# Altium PCB 20211127_mach duoi NCKH.PcbDoc (continued)
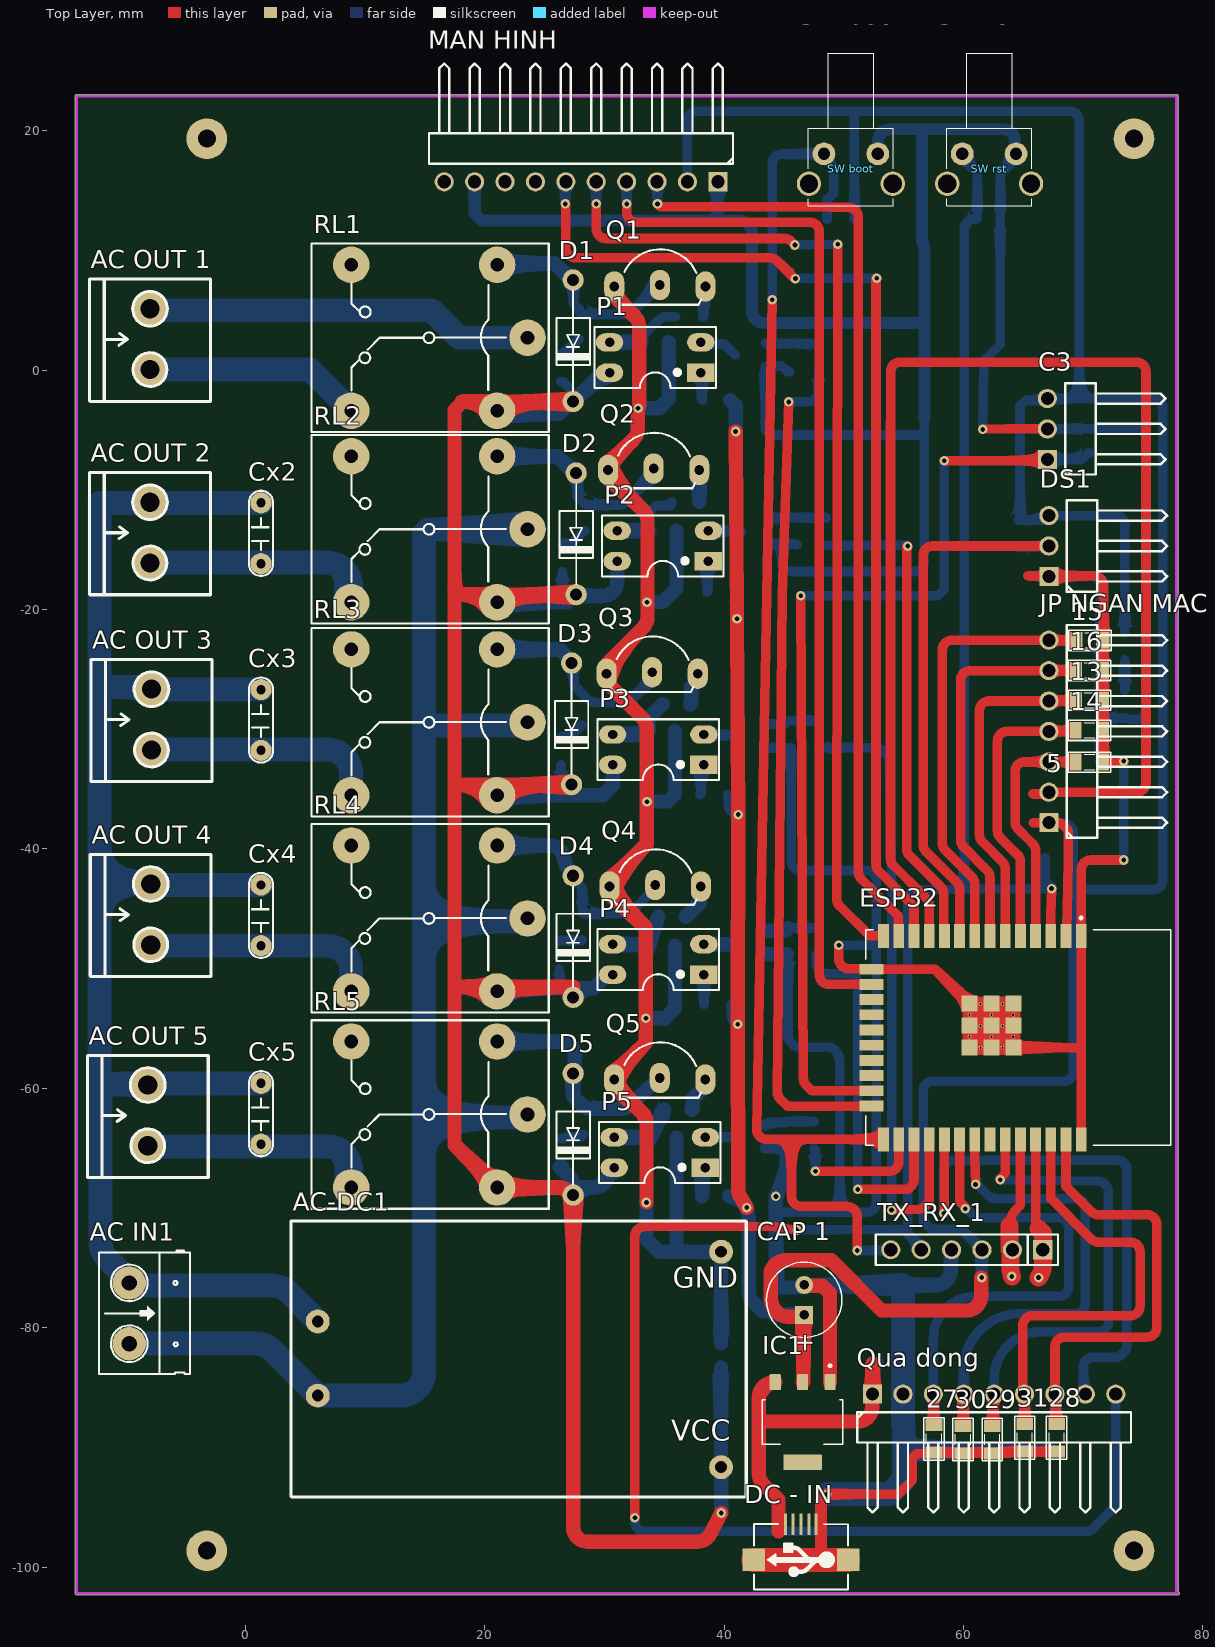
[diagram p0: Top Layer view]
## Nets (pads, with @x,y where several pads share a name; then routed paths per layer and width w, separated by ;. In a path a pad name is that pad's centre, name@x,y a point inside that pad or via, vN(x,y) a via of type N, cw(c..) or ccw(c..) an arc to the next point about the centre after c; other vN are vias at no path point)
3V3: 1.2 2.2 3.2 4.2 6.2 7.2 "CAP 1.1" "JP NGAN MACH.1" "MAN HINH.2" C3.3 cc2.2 DS1.3 ESP32.2 IC1.2 R5.2 R7.2 R13.2 TX_RX_1.3 | length 348.8
  Top Layer w0.8: 65.846,-37.802 67.128,-37.802 ; 67.129,-37.801 68.085,-37.801 68.754,-38.47 68.754,-40.721 68.691,-43.338 68.691,-43.341 68.612,-46.639 cw(c67.812,-46.619) 68.61,-46.686 ESP32.2
  Top Layer w1.2: v1(40.952,-5.12) v1(41.073,-20.77) v1(41.183,-37.132) v1(41.134,-54.65) 41.162,-68.417 41.162,-68.42 ; 41.162,-68.421 ccw(c42.362,-68.42) 41.331,-69.034 v1(41.885,-69.966) ; IC1.2 46.564,-84.545 46.619,-84.49 46.619,-78.993 46.682,-78.929 46.532,-79.076 45.274,-79.076 cw(c45.274,-77.876) 44.425,-78.724 cw(c45.723,-77.427) 43.888,-77.424 43.888,-75.577 cw(c45.088,-75.577) 45.088,-74.377 48.955,-74.377 53.146,-78.568 53.656,-78.568 60.267,-78.568 ccw(c60.265,-77.368) 61.465,-77.368 v1@61.465,-75.811
  Bottom Layer w0.8: 36.929,15.742 36.929,20.843 cw(c37.729,20.841) 37.727,21.641 50.888,21.641 ; 3.2 40.35,-35.57 40.35,-36.281 ccw(c41.15,-36.281) 40.905,-37.043 v1(41.183,-37.132) ; 6.2 40.606,-53.898 ccw(c41.406,-53.898) v1(41.134,-54.65) ; 2.2 40.93,-18.859 v1(41.073,-20.77) ; R7.2 50.873,21.626 50.888,21.641 ; TX_RX_1.3@61.515,-73.514 TX_RX_1.3 59.828,-71.775 57.295,-71.775 56.649,-71.129 56.649,-67.434 cw(c57.448,-67.402) 56.648,-67.402 56.648,-60.201 cw(c57.448,-60.201) 57.448,-59.401 68.382,-59.401 ccw(c68.38,-58.601) 69.18,-58.601 69.18,-44.195 69.15,-44.165 69.15,-43.389 70.241,-43.389 75.854,-43.389 ccw(c75.854,-42.589) 76.654,-42.589 76.654,-3.168 ccw(c75.854,-3.168) 75.856,-2.368 69.669,-2.368 ; R13.2 R13.2@64.616,-12.528 ; 67.129,-37.801 67.231,-37.903 68.692,-37.903 69.161,-38.372 69.161,-40.758 69.161,-43.389 ; 4.2 73.479,-12.947 ccw(c72.679,-12.947) 72.679,-12.147 66.913,-12.147 66.532,-12.528 R13.2@64.616,-12.528 ; 50.888,21.641 68.869,21.641 cw(c68.869,20.841) 69.669,20.841 69.669,-2.368 ; R13.2@64.616,-12.528 64.716,-12.428 64.716,-3.003 65.198,-2.521 66.849,-2.521 C3.3 69.669,-2.368
  Bottom Layer w1: v1(61.515,-75.811) TX_RX_1.3@61.515,-73.514
  Bottom Layer w1.2: 7.2 40.533,-69.112 40.736,-69.112 cw(c40.736,-70.313) v1(41.885,-69.966) 42.034,-70.745 cw(c40.855,-70.97) 42.055,-70.97 42.055,-76.988 ccw(c43.255,-76.988) 42.405,-77.835 42.406,-77.836 43.213,-78.643 44.264,-78.643 cc2.2 ; 1.2 40.494,-2.512 40.593,-2.611 40.593,-2.612 40.952,-2.971 v1(40.952,-5.12) ; cc2.2@43.937,-78.695 44.171,-78.929 46.682,-78.929
5V: "DC - IN.1" "Qua dong.1" cc1.2 IC1.3 | length 30.5
  Top Layer w1.2: IC1.3 cw(c43.881,-83.408) 44.028,-84.599 43.948,-84.609 ccw(c44.095,-85.8) 42.895,-85.8 42.895,-87.746 ; 44.54,-97.025 44.54,-96.425 44.54,-94.35 43.246,-93.056 43.245,-93.055 cw(c44.095,-92.208) 42.895,-92.208 42.895,-87.746 ; 52.397,-83.013 52.397,-85.553 52.357,-85.753 52.357,-85.835 cw(c51.158,-85.783) 52.357,-85.843 ccw(c57.436,-86.109) 52.368,-86.539 cw(c51.172,-86.639) 51.175,-87.839 42.988,-87.839 42.895,-87.746
  Bottom Layer w1.2: 52.397,-85.553 52.397,-83.412 52.773,-83.036 cc1.2
AC1: "AC IN1.2" AC-DC1.2 RL2.1 RL3.1 RL4.1 RL5.1 | length 132.7
  Bottom Layer w2: -9.771,-81.308 -9.768,-81.309 cw(c-9.706,-82.808) -9.71,-81.308 0.841,-81.308 cw(c0.841,-83.308) 2.256,-81.894 AC-DC1.2 12.932,-85.68 ccw(c12.932,-83.68) 14.932,-83.68 14.932,-62.439 ; RL5.1 23.314,-62.439 14.932,-62.439 ; RL4.1 23.314,-46.056 14.932,-46.056 ; RL3.1 23.314,-29.673 15.186,-29.673 14.932,-29.927 ; RL2.1 15.313,-13.29 14.932,-13.671 14.932,-29.927 ; 14.932,-62.439 14.932,-46.056 ; 14.932,-46.056 14.932,-29.927
AC2: "AC IN1.1" "AC OUT 2.1" "AC OUT 3.1" "AC OUT 4.1" "AC OUT 5.1" AC-DC1.1 Cx2.2 Cx3.2 Cx4.2 Cx5.2 | length 137.3
  Bottom Layer w2: -9.71,-76.26 ccw(c-8.783,-74.488) -8.786,-76.488 2.221,-76.488 cw(c2.221,-78.488) 3.636,-77.074 AC-DC1.1 ; -9.71,-76.26 -9.71,-76.045 -11.533,-74.222 -11.535,-74.22 cw(c-10.119,-72.808) -12.119,-72.808 -12.119,-59.65 ; Cx5.2 -8.019,-59.582 -8.157,-59.72 -8.227,-59.65 -12.119,-59.65 ; Cx4.2 -7.837,-43.011 -7.916,-42.932 -8.024,-42.824 -12.182,-42.824 ; Cx3.2 -7.814,-26.691 -7.855,-26.649 -8.047,-26.458 -12.153,-26.458 -12.182,-26.429 ; Cx2.2 -7.92,-11.086 -7.976,-11.03 -8.059,-11.113 -12.182,-11.113 -12.182,-26.429 ; -12.182,-42.824 -12.182,-59.65 -12.119,-59.65 ; -12.182,-42.824 -12.182,-26.429
"CLK - 14": "MAN HINH.3" ESP32.13 | length 80.6
  Top Layer w0.8: v1(34.426,13.891) 34.65,13.667 46.902,13.667 cw(c46.899,11.567) 46.992,13.665 ccw(c47.083,15.579) 47.119,13.663 cw(c47.156,11.563) 47.202,13.663 50.418,13.593 cw(c50.418,12.793) 51.218,12.793 51.218,-41.937 ccw(c52.018,-41.937) 51.451,-42.501 51.452,-42.502 54.542,-45.592 54.542,-47.212 ESP32.13
  Bottom Layer w0.8: 34.389,15.742 34.426,15.705 v1(34.426,13.891)
D1: "LED Relay1.2" D1.1 Q1.2 RL1.4 | length 17.4
  Bottom Layer w0.8: D1.1 27.417,7.498 27.417,5.593 27.886,5.125 ; 27.886,4.871 28.185,4.654 31.707,4.654 ccw(c31.707,5.454) 32.272,4.888 Q1.2@34.617,7.233
  Bottom Layer w1.2: RL1.4 21.155,8.935 25.825,8.935 27.222,7.538 D1.1
D2: "LED Relay2.2" D2.1 Q2.2 RL2.4 | length 17.4
  Bottom Layer w0.8: D2.1 27.759,-8.718 27.759,-10.623 28.394,-11.258 31.493,-11.258 34.109,-8.642 Q2.2
  Bottom Layer w1.2: RL2.4 26.079,-7.194 27.476,-8.591 D2.1
D3: "LED Relay5.2" D3.1 Q3.2 RL3.4 | length 17.1
  Bottom Layer w0.8: D3.1 27.438,-24.653 27.438,-26.304 28.426,-27.292 28.668,-27.534 ; 28.668,-27.534 ccw(c29.233,-26.968) 29.233,-27.768 31.671,-27.768 ccw(c31.671,-26.968) 32.237,-27.534 33.982,-25.789 Q3.2
  Bottom Layer w1.2: RL3.4 26.235,-23.323 27.251,-24.339 D3.1
D4: "LED Relay4.2" D4.1 Q4.2 RL4.4 | length 22.5
  Bottom Layer w0.6: 28.171,-45.263 28.214,-45.305 32.193,-45.305
  Bottom Layer w0.8: D4.1 27.378,-42.511 28.14,-43.273 28.14,-45.294 28.251,-45.405 32.093,-45.405 32.193,-45.305 34.236,-43.262 Q4.2
  Bottom Layer w1.2: RL4.4 25.394,-39.706 cw(c25.394,-40.906) 26.558,-40.615 26.642,-40.952 26.697,-41.168 ccw(c27.86,-40.875) 27.012,-41.724 27.101,-41.813 cw(c26.252,-42.661) D4.1
D5: "LED Relay3.2" D5.1 Q5.2 RL5.4 | length 19.3
  Bottom Layer w1.2: RL5.4 26.305,-56.089 cw(c26.305,-57.289) 27.505,-57.289 27.505,-58.219 cw(c26.305,-58.219) D5.1 27.378,-60.661 27.918,-61.201 28.267,-61.55 28.366,-61.585 28.372,-61.6 ccw(c28.837,-60.494) 28.834,-61.694 30.404,-61.694 ccw(c30.807,-59.696) 31.129,-61.709 cw(c31.316,-62.894) 31.313,-61.694 31.436,-61.694 ccw(c31.436,-60.494) 32.285,-61.343 33.472,-60.156 cw(c34.318,-61.006) 33.592,-60.051 33.992,-59.748 ccw(c33.266,-58.792) 34.094,-59.66 34.397,-59.66 34.617,-59.44 Q5.2
"DC - 27": "MAN HINH.6" ESP32.12 | length 89
  Top Layer w0.8: v1@26.769,13.891 cw(c25.969,13.883) 26.769,13.886 26.769,10.192 ccw(c27.569,10.192) 27.569,9.392 43.822,9.392 cw(c43.822,8.592) 44.387,9.158 45.888,7.657 v1(45.951,7.657) ; v1(52.753,7.678) 52.702,7.678 52.681,7.657 52.681,-41.286 ccw(c53.481,-41.286) 52.914,-41.85 ; 52.915,-41.851 52.914,-41.85 ; 55.86,-44.796 52.914,-41.85 ; ESP32.12 55.862,-44.798
  Bottom Layer w0.8: v1(26.724,13.891) 26.724,15.697 26.769,15.742 ; v1(45.951,7.657) 45.962,7.668 52.743,7.668 v1(52.753,7.678)
EN: "Qua dong.9" "SW rst.2" C1.2 ESP32.3 R5.1 TX_RX_1.5 | length 209.6
  Top Layer w0.8: v1(32.536,-95.879) 32.536,-72.359 cw(c33.336,-72.361) 33.334,-71.561 43.834,-71.527 43.835,-71.527 cw(c43.836,-72.327) 43.95,-71.535 v1(46.068,-71.839) ; ESP32.3 67.274,-47.245 67.274,-45.543 cw(c68.074,-45.543) 67.275,-45.514 v1(67.357,-43.308)
  Bottom Layer w0.8: v1(32.536,-95.879) 32.536,-96.218 ccw(c33.336,-96.218) 33.336,-97.018 70.247,-97.018 ccw(c70.247,-96.218) 70.812,-96.784 72.484,-95.112 ccw(c71.917,-94.548) 72.717,-94.548 72.717,-85.553 ; v1(46.068,-71.839) 53.91,-71.788 cw(c53.921,-73.488) 53.975,-71.789 54.512,-71.806 ccw(c54.537,-71.007) 54.539,-71.807 55.145,-71.806 55.337,-71.614 ; TX_RX_1.5 56.461,-73.272 55.337,-72.148 55.337,-71.614 ; 59.89,18.079 59.89,17.78 61.16,16.51 61.16,12.713 C1.2 60.861,12.618 ccw(c60.861,11.818) 60.061,11.818 60.061,-43.362 ; R5.1 66.832,-40.762 66.832,-42.657 67.357,-43.181 v1(67.357,-43.308) 65.122,-43.323 60.061,-43.362 ; 55.337,-71.614 55.337,-68.409 55.329,-67.508 cw(c57.229,-67.492) 55.329,-67.492 55.329,-60.199 55.343,-44.19 cw(c56.143,-44.192) 56.137,-43.392 58.97,-43.371 58.973,-43.371 60.061,-43.362
GND: 5.2 13.2 14.2 15.2 16.2 18.2 20.2 22.2 24.2 26.2 27.2 28.2 29.2 30.2 31.2 "CAP 1.2" "DC - IN.5" "LED nguon.2" "MAN HINH.1" "MAN HINH.9" "Qua dong.2" "SW boot.1" "SW rst.1" C1.1 C3.2 cc1.1 cc2.1 cc3.1 cc4.1 cc5.1 cc6.1 cc7.1 cc8.1 cc9.1 cc10.1 cc11.1 cc12.1 cc13.1 DS1.1 ESP32.1 ESP32.15 ESP32.38 ESP32.39_1 ESP32.39_2 ESP32.39_3 ESP32.39_4 ESP32.39_5 ESP32.39_6 ESP32.39_7 ESP32.39_8 ESP32.39_9 ESP32.39_10 ESP32.39_11 ESP32.39_12 ESP32.39_13 ESP32.39_14 ESP32.39_15 ESP32.39_16 ESP32.39_17 ESP32.39_18 ESP32.39_19 ESP32.39_20 ESP32.39_21 IC1.1 Q6.2 Q7.2 Q8.2 Q9.2 Q10.2 TX_RX_1.4 | length 532.9
  Top Layer w0.8: 48.094,-99.182 48.305,-99.393 ; v1(48.565,-93.912) 54.544,-93.912 55.699,-92.757 55.699,-90.903 56.068,-90.534 57.429,-90.534 27.2 57.576,-90.387 67.743,-90.387 28.2 ; v1(49.581,-48.05) 49.581,-49.197 ccw(c50.381,-49.197) 50.381,-49.997 51.722,-49.997 ESP32.15 57.617,-50.047 ESP32.39_7 ; v1(61.601,-4.946) 63.586,-4.908 cw(c63.601,-5.708) 63.601,-4.908 C3.2 ; ESP32.39_3 69.705,-56.597 69.832,-56.724 ; 65.354,-17.187 70.904,-17.187 cw(c70.904,-17.987) 71.704,-17.987 15.2 71.682,-22.577 5.2@71.682,-32.721 ; ESP32.38 69.832,-56.724 ; 5.2 5.2@71.682,-32.721 ; v1(73.392,-40.924) 70.632,-40.924 ccw(c70.632,-41.724) 69.832,-41.724 ESP32.1 69.832,-56.724 ; v1(73.392,-32.659) 73.35,-32.701 71.702,-32.701 5.2@71.682,-32.721
  Top Layer w1: 48.094,-99.182 48.094,-94.383 v1(48.565,-93.912)
  Top Layer w1.2: 46.682,-76.429 46.739,-76.487 48.2,-76.487 48.845,-77.132 IC1.1 ; ESP32.39_19 ESP32.39_6 ESP32.39_16 ; ESP32.39_17 ESP32.39_7 ESP32.39_20 ESP32.39_15 ; ESP32.39_4 ESP32.39_12 ESP32.39_1 ESP32.39_10 ESP32.39_15 ; ESP32.39_14 ESP32.39_3 ESP32.39_11 ESP32.39_16 ; ESP32.39_13 ESP32.39_5 ; ESP32.39_16 ESP32.39_21 ESP32.39_8 ESP32.39_18 ESP32.39_5 ; ESP32.39_5 ESP32.39_15
  Top Layer w2: 42.467,-99.393 48.305,-99.393 50.367,-99.393
  Bottom Layer w0.8: Q10.2 43.364,-65.04 45.223,-65.04 26.2 ; Q8.2 43.508,-31.472 43.594,-31.558 22.2 45.6,-41.003 ccw(c46.4,-41.003) 46.4,-41.803 51.89,-41.803 cw(c51.89,-42.603) 52.69,-42.601 52.69,-47.981 ; Q7.2 44.836,-14.446 ; 44.314,-70.144 ccw(c44.871,-69.57) 44.869,-70.37 49.663,-70.37 ; 24.2 45.332,-55.595 ccw(c46.132,-55.595) 45.566,-56.16 45.746,-56.34 ccw(c46.311,-55.774) 46.311,-56.574 48.71,-56.574 cw(c48.708,-57.374) 49.399,-56.971 cw(c47.714,-57.95) 49.663,-57.953 49.663,-70.37 ; 18.2 45.278,-0.124 44.808,0.346 Q6.2 43.415,-4.946 43.884,-5.415 56.718,-5.415 56.719,-5.416 ; 20.2 45.885,-14.582 45.749,-14.446 44.836,-14.446 ; v1(49.581,-48.05) 52.621,-48.05 52.69,-47.981 ; 56.719,-4.097 56.719,-5.416 ; cc8.1@57.477,-90.252 cc10.1 cc11.1@64.956,-90.252 ; v1(61.601,-4.946) 61.7,0.482 cw(c62.5,0.469) 61.934,1.034 63.065,2.165 C1.1 63.065,16.455 64.39,17.78 ; cc11.1 cc11.1@64.956,-90.252 ; cc11.1@65.187,-90.291 64.917,-90.291 cc11.1@64.956,-90.252 ; C3.2 74.454,-4.908 cw(c74.454,-5.708) 75.254,-5.708 75.251,-28.365 cw(c74.451,-28.365) 74.457,-29.165 74.454,-29.165 73.778,-29.165 73.479,-29.038 71.574,-29.038 ; DS1.1 70.631,-17.227 cw(c70.631,-18.027) 71.431,-18.027 71.431,-22.561 71.447,-22.577 71.447,-29.165 71.574,-29.038 ; cc12.1@67.494,-90.252 cc11.1@64.956,-90.252 ; cc3.1 71.413,-32.694 cc3.1@71.431,-32.694 ; v1(73.392,-40.924) v1(73.392,-32.659) 73.357,-32.694 cc3.1@71.431,-32.694 ; 44.836,-14.446 44.836,-16.352 45.071,-16.587 45.072,-16.588 ccw(c45.636,-16.021) 45.636,-16.821 55.919,-16.821 ccw(c55.919,-16.021) 56.719,-16.021 56.719,-5.416 ; 49.663,-70.37 51.89,-70.37 ccw(c51.89,-69.57) 52.69,-69.57 52.69,-55.547 52.69,-55.545 52.69,-47.981 ; cc3.1@71.431,-32.694 71.431,-30.242 cc7.1 71.574,-30.099 71.574,-29.038
  Bottom Layer w1: 19.149,15.742 19.149,13.077 19.735,12.491 38.651,12.491 ; 39.469,15.742 39.451,15.342 39.451,13.291 cw(c38.651,13.291) 38.651,12.491 ; 52.833,18.079 52.833,19.131 cw(c53.833,19.131) 53.833,20.131 56.665,20.131 ; 55.737,-90.252 64.956,-90.252 cc12.1@67.494,-90.252 ; 56.719,-4.097 56.719,3.93 ; 64.39,18.079 cw(c65.305,18.482) 64.305,18.48 64.305,19.131 ccw(c63.305,19.131) 63.305,20.131 56.665,20.131 ; 38.651,12.491 41.321,12.491 cw(c41.321,11.491) 42.321,11.493 42.321,4.953 ccw(c43.321,4.953) 43.321,3.953 56.696,3.953 56.719,3.93 ; 56.665,20.131 56.513,19.979 56.513,10.768 cw(c55.719,10.16) 56.719,10.16 56.719,10.158 56.719,3.93
  Bottom Layer w1.2: Q9.2 43.54,-48.806 24.2@45.234,-48.806 ; cc2.1 cc2.1@44.314,-76.645 ; v1@44.322,-69.032 cw(c43.124,-68.963) 44.314,-69.118 44.314,-70.144 cc2.1@44.314,-76.645 ; v1@44.382,-69.031 45.179,-66.616 ccw(c44.04,-66.24) 45.24,-66.24 26.2 ; TX_RX_1.4 58.925,-73.565 58.925,-75.229 cw(c57.725,-75.229) 57.727,-76.429 54.839,-76.429 46.682,-76.429 46.601,-76.429 46.385,-76.645 cc2.1@44.314,-76.645
  Bottom Layer w2: v1(48.565,-93.912) 53.83,-93.912 55.002,-92.74 55.002,-89.517 ; 54.839,-76.429 54.937,-76.527 54.937,-85.553 54.937,-88.037 55.002,-88.102 55.002,-89.517 ; 55.737,-90.252 55.002,-89.517
  other v1: 44.322,-69.031
IO0: "SW boot.2" ESP32.25 R7.1 TX_RX_1.6 | length 119.5
  Top Layer w0.8: v1(44.021,5.888) 43.559,-18.787 42.723,-63.447 ccw(c43.523,-63.462) 43.523,-64.262 45.622,-64.262 ; v1(51.109,-73.549) 51.109,-70.685 ccw(c50.309,-70.687) 50.59,-69.938 ccw(c50.08,-71.301) 50.08,-69.846 46.424,-69.846 cw(c46.422,-69.046) 45.622,-69.046 45.622,-64.262 ; ESP32.25 45.622,-64.262
  Bottom Layer w0.8: v1(44.021,5.888) 44.007,17.246 cw(c44.807,17.247) 44.801,18.047 44.804,18.047 48.11,18.047 ccw(c48.11,18.847) 48.333,18.079 48.333,17.825 49.145,17.013 49.145,14.789 48.587,14.232 R7.1 ; v1(51.109,-73.549) 53.86,-73.549 TX_RX_1.6
IO2: 17.2 ESP32.24 | length 70.8
  Top Layer w0.8: 44.676,-60.887 cw(c45.243,-60.322) 44.443,-60.314 44.859,-18.826 cw(c46.394,-18.843) 44.859,-18.792 v1(45.397,-2.646) ; 44.676,-60.887 45.279,-61.49 51.722,-61.49 ESP32.24
  Bottom Layer w0.8: v1(45.397,-2.646) 47.296,-2.646 47.885,-2.057 17.2
IO4: 25.2 ESP32.26 | length 11.2
  Top Layer w0.8: v1(47.618,-66.934) 53.753,-66.938 ccw(c53.756,-66.138) 53.766,-66.938 53.767,-66.938 cw(c53.779,-67.738) 53.785,-66.938 ccw(c53.792,-66.138) 54.592,-66.138 ESP32.26
  Bottom Layer w0.8: 25.2 47.618,-65.173 v1(47.618,-66.934)
IO15: C3.1 cc13.2 ESP32.23 | length 82.1
  Top Layer w0.8: v1(46.394,-18.843) 46.619,-59.177 ccw(c47.419,-59.172) 46.619,-59.178 46.619,-59.181 ccw(c47.419,-59.172) 46.852,-59.736 47.323,-60.207 ESP32.23 ; v1(58.394,-7.557) 66.893,-7.557 C3.1
  Bottom Layer w0.8: v1@46.449,-18.787 v1(46.394,-18.843) 57.85,-18.843 58.394,-18.299 v1(58.394,-7.557) ; C3.1 69.88,-7.448 70.408,-6.92 cc13.2
IO16: 23.2 ESP32.27 | length 30.9
  Top Layer w0.8: v1(51.164,-68.451) 55.356,-68.451 55.613,-68.194 ccw(c55.062,-67.615) 55.862,-67.615 ESP32.27
  Bottom Layer w0.8: 23.2 47.709,-49.617 ccw(c48.509,-49.617) 48.509,-50.417 50.354,-50.417 cw(c50.354,-51.217) 51.154,-51.217 51.154,-66.451 ccw(c51.954,-66.451) 51.154,-66.455 v1(51.164,-68.451)
IO17: 21.2 ESP32.28 | length 52.6
  Top Layer w0.8: v1(53.99,-70.173) 56.218,-70.111 ; 56.22,-70.111 56.222,-70.111 56.223,-70.111 ccw(c56.205,-69.311) 56.767,-69.88 56.769,-69.879 57.132,-69.516 ESP32.28
  Bottom Layer w0.8: 21.2 52.656,-31.541 cw(c52.656,-32.341) 53.221,-31.775 53.562,-32.116 cw(c52.995,-32.68) 53.795,-32.68 ccw(c54.595,-32.68) 53.795,-32.695 53.795,-32.698 53.99,-42.56 ; 53.99,-42.562 cw(c51.89,-42.603) 53.99,-42.604 53.99,-68.173 v1(53.99,-70.173)
IO18: 27.1 "Qua dong.3" cc8.2 ESP32.30 | length 44.1
  Top Layer w0.8: 57.477,-85.553 57.503,-85.579 57.503,-88.122 27.1 ; ESP32.30 59.672,-69.46 60.144,-69.932 v1(60.144,-70.059)
  Bottom Layer w0.8: cc8.2 57.477,-85.553 57.477,-80.874 57.477,-80.872 cw(c60.964,-80.87) 60.962,-77.384 cw(c60.964,-80.87) 60.968,-77.384 67.979,-77.384 ccw(c67.978,-76.584) 68.778,-76.584 68.775,-71.621 ccw(c67.975,-71.621) 67.979,-70.821 67.977,-70.821 61.364,-70.821 cw(c61.364,-70.021) 60.799,-70.587 ; v1(60.144,-70.059) 60.271,-70.059 60.799,-70.587
IO19: 30.1 "Qua dong.4" cc9.2 ESP32.31 | length 42.2
  Top Layer w0.8: 30.1 59.985,-88.179 59.985,-85.585 60.017,-85.553 ; ESP32.31 60.942,-65.792 ccw(c61.742,-65.792) 60.942,-65.816 v1(61.007,-68.027)
  Bottom Layer w0.8: cc9.2 60.017,-85.553 ; 60.017,-85.044 60.017,-83.517 cw(c64.726,-83.531) 64.719,-78.822 69.379,-78.822 ccw(c69.377,-78.022) 70.177,-78.022 70.178,-76.499 ccw(c68.778,-76.498) 70.178,-76.498 70.177,-70.013 ccw(c69.377,-70.013) 69.377,-69.213 62.651,-69.213 cw(c62.651,-68.413) 62.085,-68.979 61.134,-68.027 v1(61.007,-68.027)
IO21: 29.1 "Qua dong.5" cc10.2 ESP32.33 | length 43.2
  Top Layer w0.8: 29.1 62.483,-88.136 62.483,-85.628 62.557,-85.553 ; v1(63.065,-67.646) 63.065,-67.519 63.482,-67.103 ESP32.33
  Bottom Layer w0.8: cc10.2 62.43,-88.125 62.43,-85.68 62.557,-85.553 ; 62.557,-85.736 62.557,-85.553 ; v1(63.065,-67.646) 71.229,-67.75 cw(c71.219,-68.549) 71.785,-67.984 71.848,-68.047 cw(c71.282,-68.613) 72.082,-68.613 72.082,-79.546 cw(c71.282,-79.546) 71.282,-80.346 66.497,-80.346 66.495,-80.346 ccw(c66.493,-84.282) 62.722,-83.153 ccw(c66.493,-84.282) 62.557,-84.288 62.557,-85.553
IO22: 31.1 "Qua dong.6" cc11.2 ESP32.36 | length 40
  Top Layer w0.8: 64.949,-85.092 64.949,-79.796 cw(c65.749,-79.796) 65.749,-78.996 73.946,-78.996 ccw(c73.946,-78.196) 74.746,-78.196 74.746,-73.653 ccw(c73.946,-73.653) 74.512,-73.088 ccw(c73.946,-73.653) 73.946,-72.853 71.27,-72.853 cw(c71.27,-72.053) 70.705,-72.619 ; 65.097,-85.553 65.111,-85.567 65.111,-88.039 31.1 ; ESP32.36 67.292,-69.206 70.705,-72.619
  Bottom Layer w0.8: cc11.2 65.079,-88.129 65.079,-85.572 65.097,-85.553
IO23: 28.1 "Qua dong.7" cc12.2 ESP32.37 | length 40.1
  Top Layer w0.8: 28.1 67.714,-87.977 67.714,-85.63 67.637,-85.553 67.637,-81.582 cw(c68.437,-81.582) 68.437,-80.782 75.346,-80.782 ccw(c75.346,-79.982) 76.146,-79.982 76.146,-71.367 ccw(c75.346,-71.367) 75.348,-70.567 71.27,-70.567 cw(c71.27,-69.767) 70.705,-70.333 ; ESP32.37 68.562,-68.19 70.705,-70.333
  Bottom Layer w0.8: 67.637,-85.553 67.678,-85.594 67.678,-88.058 cc12.2
IO25: 19.2 ESP32.10 | length 40.6
  Top Layer w0.8: v1@55.242,-14.692 55.242,-39.975 ccw(c56.042,-39.973) 55.475,-40.537 58.079,-43.141 cw(c57.428,-43.796) 58.352,-43.797 58.352,-43.799 58.352,-47.212 ESP32.10
  Bottom Layer w0.8: 19.2 55.283,-14.638 v1(55.337,-14.692)
IO32: 15.1 "JP NGAN MACH.7" cc5.2 ESP32.8 | length 38.9
  Top Layer w0.8: ESP32.8 60.942,-42.909 ccw(c60.142,-42.909) 60.708,-42.344 58.463,-40.099 cw(c59.031,-39.536) 58.231,-39.538 58.231,-23.361 cw(c59.031,-23.361) 59.031,-22.561 67.129,-22.561 67.132,-22.558 69.415,-22.558 15.1
  Bottom Layer w0.8: 67.129,-22.561 67.153,-22.586 69.39,-22.586 cc5.2
IO33: DS1.2 ESP32.9 R13.1 | length 46.5
  Top Layer w0.8: ESP32.9 59.672,-43.362 ccw(c58.872,-43.362) 59.438,-42.797 59.105,-42.464 56.854,-40.213 cw(c57.42,-39.648) 56.62,-39.648 56.62,-15.487 cw(c57.42,-15.487) 57.42,-14.687 DS1.2
  Bottom Layer w0.8: R13.1 64.653,-14.751 67.066,-14.751 DS1.2
IO34: 13.1 "JP NGAN MACH.5" cc4.2 ESP32.6 | length 30.5
  Top Layer w0.8: ESP32.6 63.482,-41.645 ccw(c62.682,-41.645) 63.248,-41.08 61.559,-39.391 cw(c62.127,-38.828) 61.327,-38.83 61.327,-28.441 cw(c62.127,-28.441) 62.127,-27.641 67.129,-27.641 67.166,-27.605 69.345,-27.605 13.1
  Bottom Layer w0.8: 67.129,-27.641 cc4.2
IO35: 16.1 "JP NGAN MACH.6" cc6.2 ESP32.7 | length 34.8
  Top Layer w0.8: ESP32.7 62.212,-42.372 ccw(c61.412,-42.372) 61.978,-41.807 61.715,-41.544 59.982,-39.811 cw(c60.548,-39.246) 59.748,-39.246 59.748,-25.901 cw(c60.548,-25.901) 60.548,-25.101 67.129,-25.101 67.149,-25.082 69.362,-25.082 16.1
  Bottom Layer w0.8: 67.129,-25.101 67.193,-25.038 69.367,-25.038 cc6.2
IO36: 14.1 "JP NGAN MACH.4" cc7.2 ESP32.5 | length 26.4
  Top Layer w0.8: ESP32.5 64.752,-41.058 ccw(c63.952,-41.058) 64.518,-40.493 63.061,-39.036 cw(c63.629,-38.473) 62.829,-38.475 62.829,-30.981 cw(c63.629,-30.981) 63.629,-30.181 67.129,-30.181 67.182,-30.128 69.321,-30.128 14.1
  Bottom Layer w0.8: 67.129,-30.181 67.138,-30.173 69.5,-30.173 cc7.2
IO39: 5.1 "JP NGAN MACH.3" cc3.2 ESP32.4 | length 22.2
  Top Layer w0.8: ESP32.4 66.022,-40.139 ccw(c65.222,-40.139) 65.788,-39.574 65.612,-39.398 64.537,-38.323 cw(c65.103,-37.758) 64.303,-37.758 64.303,-33.521 cw(c65.103,-33.521) 65.103,-32.721 67.129,-32.721 67.14,-32.732 69.363,-32.732 5.1
  Bottom Layer w0.8: 67.129,-32.721 67.133,-32.726 69.374,-32.726 cc3.2
"MOSI - 13": "MAN HINH.4" ESP32.16 | length 86.5
  Top Layer w0.8: v1@31.849,13.891 31.849,13.167 ccw(c32.649,13.167) 32.649,12.367 46.899,12.367 cw(c46.899,11.567) 46.932,12.366 ccw(c47.083,15.579) 47.14,12.363 cw(c47.156,11.563) 47.956,11.563 47.956,-50.517 ccw(c48.756,-50.517) 48.756,-51.317 ESP32.16
  Bottom Layer w0.8: 31.849,15.742 31.854,15.737 v1(31.854,13.891)
Net1_1: 1.1 P1.1 | length 2.4
  Bottom Layer w0.8: P1.1 38.127,-0.29 38.127,-2.432 1.1
Net2_1: 2.1 P2.1 | length 2.7
  Bottom Layer w0.8: 2.1 38.613,-18.492 38.613,-16.026 P2.1
Net3_1: 3.1 P3.1 | length 2.6
  Bottom Layer w0.8: 3.1 38.064,-35.37 38.064,-33.211 P3.1
Net4_1: 4.1 "LED nguon.1" | length 2.5
  Bottom Layer w0.8: 73.479,-26.752 4.1
Net6_1: 6.1 P4.1 | length 2.7
  Bottom Layer w0.8: P4.1 38.31,-50.511 38.31,-52.967 6.1
  Bottom Layer w1.2: P4.1@38.138,-50.663 P4.1
Net7_1: 7.1 P5.1 | length 2.5
  Bottom Layer w1.2: 7.1 ccw(c36.967,-68.807) 38.167,-68.809 38.167,-66.792 P5.1
Net8_1: 8.1 "LED Relay1.1" | length 2.1
  Bottom Layer w0.8: 8.1 26.561,1.315 26.661,1.415 26.661,1.423 27.823,2.585 27.886,2.585
Net9_1: 9.1 "LED Relay2.1" | length 2.4
  Bottom Layer w0.8: 9.1 26.589,-14.46 27.288,-14.46 28.331,-13.417 28.394,-13.417
Net10_1: 10.1 "LED Relay3.1" | length 2.1
  Bottom Layer w0.8: 10.1 26.561,-64.217 26.707,-64.071 28.032,-64.071 28.267,-63.836
Net11_1: 11.1 "LED Relay4.1" | length 2
  Bottom Layer w0.8: 11.1 26.299,-47.644 28.077,-47.644 28.14,-47.58
Net12_1: 12.1 "LED Relay5.1" | length 2.2
  Bottom Layer w0.8: 12.1 26.462,-30.589 27.161,-30.589 28.077,-29.673 28.14,-29.673
Net17_1: 17.1 18.1 Q6.1 | length 4.5
  Bottom Layer w0.8: Q6.1 47.526,2.246 47.687,2.085 17.1
Net19_1: 19.1 20.1 Q7.1 | length 4.7
  Bottom Layer w0.8: Q7.1 43.949,-12.546 44.199,-12.296 20.1 46.111,-12.324 48.512,-12.324 19.1
Net21_1: 21.1 22.1 Q8.1 | length 4.6
  Bottom Layer w0.8: Q8.1 45.101,-29.572 45.402,-29.272 22.1 45.608,-29.263 47.907,-29.263 21.1
Net23_1: 23.1 24.1 Q9.1 | length 4.3
  Bottom Layer w0.8: 24.1 45.355,-46.597 47.686,-46.597 23.1
  Bottom Layer w1.2: Q9.1 45.115,-46.837 45.232,-46.72 45.234,-46.72 45.332,-46.621 24.1
Net25_1: 25.1 26.1 Q10.1 | length 4.3
  Bottom Layer w0.8: Q10.1 43.372,-63.123 43.624,-62.871 45.14,-62.871 26.1 45.248,-62.779 47.513,-62.779 25.1
"NetAC OUT 1_2": "AC OUT 1.2" RL1.2 | length 18.2
  Bottom Layer w2: -7.976,0.052 5.4,0.052 RL1.2
"NetAC OUT 2_2": "AC OUT 2.2" Cx2.1 RL2.2 | length 19.4
  Bottom Layer w2: -7.976,-16.11 -7.95,-16.084 ; -7.976,-16.084 -7.95,-16.084 ; -7.898,-16.032 -7.95,-16.084 ; RL2.2 cw(c10.836,-19.383) 8.836,-19.383 8.836,-18.084 ccw(c6.836,-18.084) 6.836,-16.084 2.065,-16.084 1.481,-16.084 -7.95,-16.084
"NetAC OUT 3_2": "AC OUT 3.2" Cx3.1 RL3.2 | length 19.7
  Bottom Layer w2: -7.855,-31.729 -7.779,-31.653 ; -7.817,-31.705 0.813,-31.705 6.836,-31.705 cw(c6.836,-33.705) 8.836,-33.705 RL3.2
"NetAC OUT 4_2": "AC OUT 4.2" Cx4.1 RL4.2 | length 19.7
  Bottom Layer w2: -7.916,-48.088 6.836,-48.088 cw(c6.836,-50.088) 8.836,-50.088 RL4.2 ; -7.916,-48.012 -7.891,-48.036
"NetAC OUT 5_2": "AC OUT 5.2" Cx5.1 RL5.2 | length 19.6
  Bottom Layer w2: -8.157,-64.852 -0.908,-64.852 6.836,-64.852 cw(c6.836,-66.852) 8.836,-66.852 RL5.2
NetP1_2: P1.2 Q6.3 | length 3.3
  Bottom Layer w0.8: P1.2 38.185,2.192 39.994,2.192 40.89,1.296 Q6.3
NetP1_3: P1.3 R1.1 R2.1 | length 6.6
  Bottom Layer w0.8: R2.1 33.193,2.431 33.193,2.531 cw(c33.993,2.529) 33.426,3.093 34.565,4.232 cw(c35.13,3.666) 35.13,4.466 R1.1
  Bottom Layer w1.2: P1.3 R2.1
NetP2_2: P2.2 Q7.3 | length 2.8
  Bottom Layer w0.8: P2.2 38.72,-13.457 41.385,-13.457 Q7.3
NetP2_3: P2.3 R3.1 R4.1 | length 6.6
  Bottom Layer w0.8: R4.1 33.728,-11.893 34.319,-11.303 35.533,-11.303 35.633,-11.203 R3.1
  Bottom Layer w1.2: P2.3 R4.1
NetP3_2: P3.2 Q8.3 | length 2.7
  Bottom Layer w0.8: P3.2 38.343,-30.479 40.94,-30.479 Q8.3
NetP3_3: P3.3 R6.1 R8.1 | length 5.8
  Bottom Layer w1.2: P3.3 33.346,-30.435 33.6,-30.181 33.601,-30.181 33.603,-30.181 33.701,-30.083 33.701,-29.064 34.87,-27.895 R6.1
NetP4_2: P4.2 Q9.3 | length 2.7
  Bottom Layer w1.2: P4.2 40.797,-47.961 Q9.3
NetP4_3: P4.3 R9.1 R10.1 | length 5.5
  Bottom Layer w1.2: P4.3 33.473,-47.961 33.6,-48.088 R10.1 33.622,-48.035 ccw(c32.501,-47.605) 33.627,-48.02 R9.1
NetP5_2: P5.2 Q10.3 | length 2.4
  Bottom Layer w0.8: P5.2 38.436,-64.082 40.838,-64.082 Q10.3
NetP5_3: P5.3 R11.1 R12.1 | length 5.6
  Bottom Layer w1.2: P5.3 30.82,-64.103 33.715,-64.103 R12.1 R11.1
NetQ1_3: Q1.3 R1.2 | length 5.4
  Bottom Layer w0.8: R1.2@38.173,4.871 38.173,5.069 38.33,5.226 ; R1.2 38.33,4.566 38.33,5.226 ; Q1.3@38.427,7.538 Q1.3@38.427,6.982 ; Q1.3 Q1.3@38.427,6.982 ; 38.33,5.226 38.33,6.885 Q1.3@38.427,6.982 ; 38.33,5.226 38.427,5.323 Q1.3@38.427,6.982
NetQ2_3: Q2.3 R3.2 | length 2.7
  Bottom Layer w1.2: R3.2 Q2.3
NetQ3_3: Q3.3 R6.2 | length 2.8
  Bottom Layer w1.2: R6.2 37.159,-27.895 37.257,-27.797 37.257,-26.451 37.792,-25.916 Q3.3
NetQ4_3: Q4.3 R9.2 | length 3.1
  Bottom Layer w1.2: R9.2 36.778,-45.675 37.955,-44.498 37.955,-43.226 Q4.3
NetQ5_3: Q5.3 R11.2 | length 3
  Bottom Layer w1.2: R11.2 37.286,-61.804 37.384,-61.706 37.384,-60.868 38.427,-59.825 Q5.3
PLC1: "AC OUT 1.1" RL1.1 | length 32.5
  Bottom Layer w2: -7.976,5.132 -7.854,5.01 15.533,5.01 17.831,2.712 RL1.1
"RES - 12": "MAN HINH.5" ESP32.14 | length 84.8
  Top Layer w0.8: v1@29.309,13.891 29.309,11.803 ccw(c30.109,11.803) 30.109,11.003 45.039,11.003 cw(c45.039,10.203) 45.604,10.769 v1(45.911,10.462) ; v1(49.491,10.524) 49.397,-44.176 ccw(c50.197,-44.179) 49.531,-44.622 ccw(c50.197,-44.179) 49.63,-44.743 49.631,-44.744 52.124,-47.237 53.296,-47.237 ESP32.14
  Bottom Layer w0.8: 29.309,15.742 29.31,15.741 v1(29.31,13.891) ; v1(45.911,10.462) 45.943,10.494 47.256,10.494 ccw(c47.256,11.294) 47.267,10.494 v1(49.491,10.524)
"RL 5V": 8.2 9.2 10.2 11.2 12.2 AC-DC1.3 cc14.1 D1.2 D2.2 D3.2 D4.2 D5.2 P1.4 P2.4 P3.4 P4.4 P5.4 RL1.5 RL2.5 RL3.5 RL4.5 RL5.5 | length 235.8
  Top Layer w1.2: 18.059,-2.738 17.472,-3.325 17.472,-18.37 ; 18.059,-2.622 D1.2 ; D3.2 17.599,-34.626 17.472,-34.499 ; 27.378,-51.517 17.599,-51.517 17.472,-51.39 ; D2.2 17.853,-18.751 17.472,-18.37 ; v1(39.754,-95.483) 38.84,-97.234 cw(c37.776,-96.679) 37.776,-97.879 28.578,-97.879 cw(c28.578,-96.679) 27.378,-96.679 D5.2 27.095,-68.633 ccw(c26.246,-69.481) 26.246,-68.281 RL5.5 17.472,-64.725 17.472,-51.39 ; 17.472,-51.39 17.472,-34.499 ; 17.472,-34.499 17.472,-18.37
  Bottom Layer w0.8: 26.142,-51.628 26.235,-51.535 11.2 ; 26.339,-35.515 26.362,-35.492 12.2 ; 8.2 26.561,-0.971 27.191,-1.602 27.191,-2.435 D1.2 ; 9.2 26.489,-19.035 26.841,-19.386 ; P4.4@30.103,-50.501 30.211,-50.501 P4.4 ; P2.4@31.061,-15.975 P2.4
  Bottom Layer w1.2: RL5.5 D5.2@27.267,-68.281 ; RL4.5 21.298,-51.628 26.142,-51.628 29.085,-51.628 P4.4@30.211,-50.501 ; RL3.5 26.339,-35.515 29.845,-35.515 30.68,-34.68 P3.4 ; RL2.5 26.841,-19.386 27.476,-18.751 D2.2 27.743,-18.862 29.861,-18.862 ccw(c29.861,-17.662) 31.061,-17.662 P2.4@31.061,-15.975 ; RL1.5 21.282,-3.638 26.206,-3.638 27.222,-2.622 D1.2 29.729,-0.271 30.364,-0.271 P1.4 ; 10.2 26.264,-66.602 26.459,-66.602 26.461,-66.603 26.461,-66.799 27.267,-67.606 D5.2@27.267,-68.281 ; D5.2 27.267,-68.806 D5.2@27.267,-68.281 ; P5.4@30.352,-67.151 30.352,-67.153 cw(c29.154,-67.081) 29.154,-68.281 D5.2@27.267,-68.281 ; P5.4@30.412,-66.732 30.426,-66.63 P5.4 ; cc14.1 39.737,-83.33 39.737,-91.648 AC-DC1.3 v1(39.754,-95.483)
"RL GND": AC-DC1.4 cc14.2 Q1.1 Q2.1 Q3.1 Q4.1 Q5.1 R2.2 R4.2 R8.2 R10.2 R12.2 | length 145.7
  Top Layer w1.2: Q1.1@30.898,7.447 30.898,6.107 32.548,4.457 cw(c31.699,3.609) 32.899,3.609 32.899,-2.721 cw(c31.699,-2.718) v1(32.804,-3.186) ccw(c33.969,-3.473) 32.769,-3.473 32.769,-4.938 cw(c31.569,-4.938) 32.419,-5.786 30.299,-7.905 30.299,-8.757 cw(c29.529,-9.542) 30.305,-8.763 33.239,-11.697 cw(c32.39,-12.545) 33.59,-12.543 33.59,-12.545 33.59,-20.646 cw(c32.39,-20.646) 33.241,-21.492 30.522,-24.211 ccw(c31.372,-25.058) 30.172,-25.056 Q3.1 30.172,-25.561 ccw(c31.372,-25.561) 30.524,-26.41 30.847,-26.733 31.767,-27.653 33.18,-29.066 cw(c32.33,-29.913) 33.53,-29.913 33.53,-39.6 30.426,-42.703 Q4.1 30.426,-43.567 33.44,-46.581 33.44,-56.2 30.807,-58.832 Q5.1 30.807,-59.696 33.32,-62.209 33.32,-62.439 33.504,-62.623 v1(33.504,-69.539)
  Bottom Layer w1.2: v1(32.804,-3.186) 32.817,-3.173 34.593,-3.173 35.379,-2.387 R2.2 ; v1(33.458,-54.137) 33.471,-54.15 35.006,-54.15 35.03,-54.174 35.887,-53.317 R10.2 ; v1(33.504,-69.539) 33.504,-72.601 34.559,-73.656 36.264,-73.656 ; v1(33.552,-36.05) 33.565,-36.037 35.309,-36.037 35.887,-35.459 R8.2@35.887,-30.181 ; v1(33.552,-19.384) 33.565,-19.371 34.874,-19.371 36.014,-18.231 R4.2 ; R12.2 36.014,-73.406 36.264,-73.656 ; cc14.2 39.737,-81.314 39.737,-73.664 AC-DC1.4 36.264,-73.656
RX: ESP32.34 TX_RX_1.2 | length 14.3
  Top Layer w0.8: 63.844,-71.45 cw(c65.709,-71.45) 64.392,-70.13 64.752,-69.77 ESP32.34
  Top Layer w1.5: 63.844,-71.45 63.844,-73.488 TX_RX_1.2@64.029,-73.673 ; v1(64.029,-75.716) 63.932,-75.233 cw(c65.403,-74.94) 63.903,-74.94 63.903,-74.197 cw(c65.403,-74.197) TX_RX_1.2
  Bottom Layer w0.8: TX_RX_1.2@64.029,-73.541 TX_RX_1.2
  Bottom Layer w1: v1(64.029,-75.716) TX_RX_1.2@64.029,-73.541
RX1: "Qua dong.8" ESP32.29 | length 47.6
  Top Layer w0.8: v1(58.368,-70.44) 58.402,-70.406 ESP32.29
  Bottom Layer w0.8: v1(58.368,-70.44) 58.368,-66.81 cw(c59.168,-66.81) 59.168,-66.01 72.835,-66.01 cw(c72.835,-66.81) 73.635,-66.81 73.635,-81.503 73.635,-81.505 cw(c72.835,-81.505) 73.401,-82.07 73.229,-82.242 cw(c72.664,-81.676) 72.664,-82.476 70.806,-82.476 ccw(c70.806,-83.276) 70.006,-83.276 70.006,-85.061 ccw(c70.806,-85.059) 70.177,-85.553
TX: ESP32.35 TX_RX_1.1 | length 14.3
  Top Layer w0.8: ESP32.35 66.024,-64.861 cw(c65.224,-64.864) 66.024,-64.864 66.024,-71.108 ccw(c66.876,-71.109) 66.212,-71.643 cw(c65.587,-72.142) 66.272,-71.729
  Top Layer w1.5: v1(66.265,-75.816) ccw(c65.121,-74.846) 66.621,-74.846 TX_RX_1.1 66.621,-72.078 66.272,-71.729
  Bottom Layer w1: v1(66.265,-75.816) 66.346,-75.735 ccw(c65.639,-75.028) 66.639,-75.028 66.639,-73.788 TX_RX_1.1
WIFI: "JP NGAN MACH.2" ESP32.11 | length 115
  Top Layer w0.8: ESP32.11 57.132,-45.909 57.132,-44.695 ccw(c56.332,-44.695) 56.898,-44.13 56.544,-43.776 54.129,-41.361 cw(c54.695,-40.796) 53.895,-40.796 53.895,-8.348 cw(c55.795,-8.348) 53.895,-8.347 53.903,-0.119 cw(c54.703,-0.12) 54.703,0.68 74.442,0.68 cw(c74.442,-0.12) 75.242,-0.12 75.242,-34.461 cw(c74.442,-34.461) 74.442,-35.261 67.129,-35.261 66.986,-35.404 65.768,-35.404
pads on no net: "DC - IN.2" "DC - IN.3" "DC - IN.4" "MAN HINH.7" "MAN HINH.8" "MAN HINH.10" "SW boot." "SW rst." ESP32.17 ESP32.18 ESP32.19 ESP32.20 ESP32.21 ESP32.22 ESP32.32 IC1.4 RL1.3 RL2.3 RL3.3 RL4.3 RL5.3

## Keep-outs
Keep-Out Layer:
  lines w0.254: 77.797,-102.19 77.797,-96.602 77.797,22.905 -14.097,22.905 -14.097,-102.19 77.903,-102.19

## Text inside footprints (layer, text, board x,y; h text height)
AC-DC1: Top Overlay "VCC" at 35.562,-90.038 h3; Top Overlay "GND" at 35.695,-77.256 h3
"CAP 1": Top Overlay "+" at 47.419,-82.154 h1.5 r90
ESP32: Mechanical 13 "ANTENNA" at 73.572,-49.762 h1.78 r270